# Altium PCB PCB.PcbDoc (part 2 of 5) (continued)
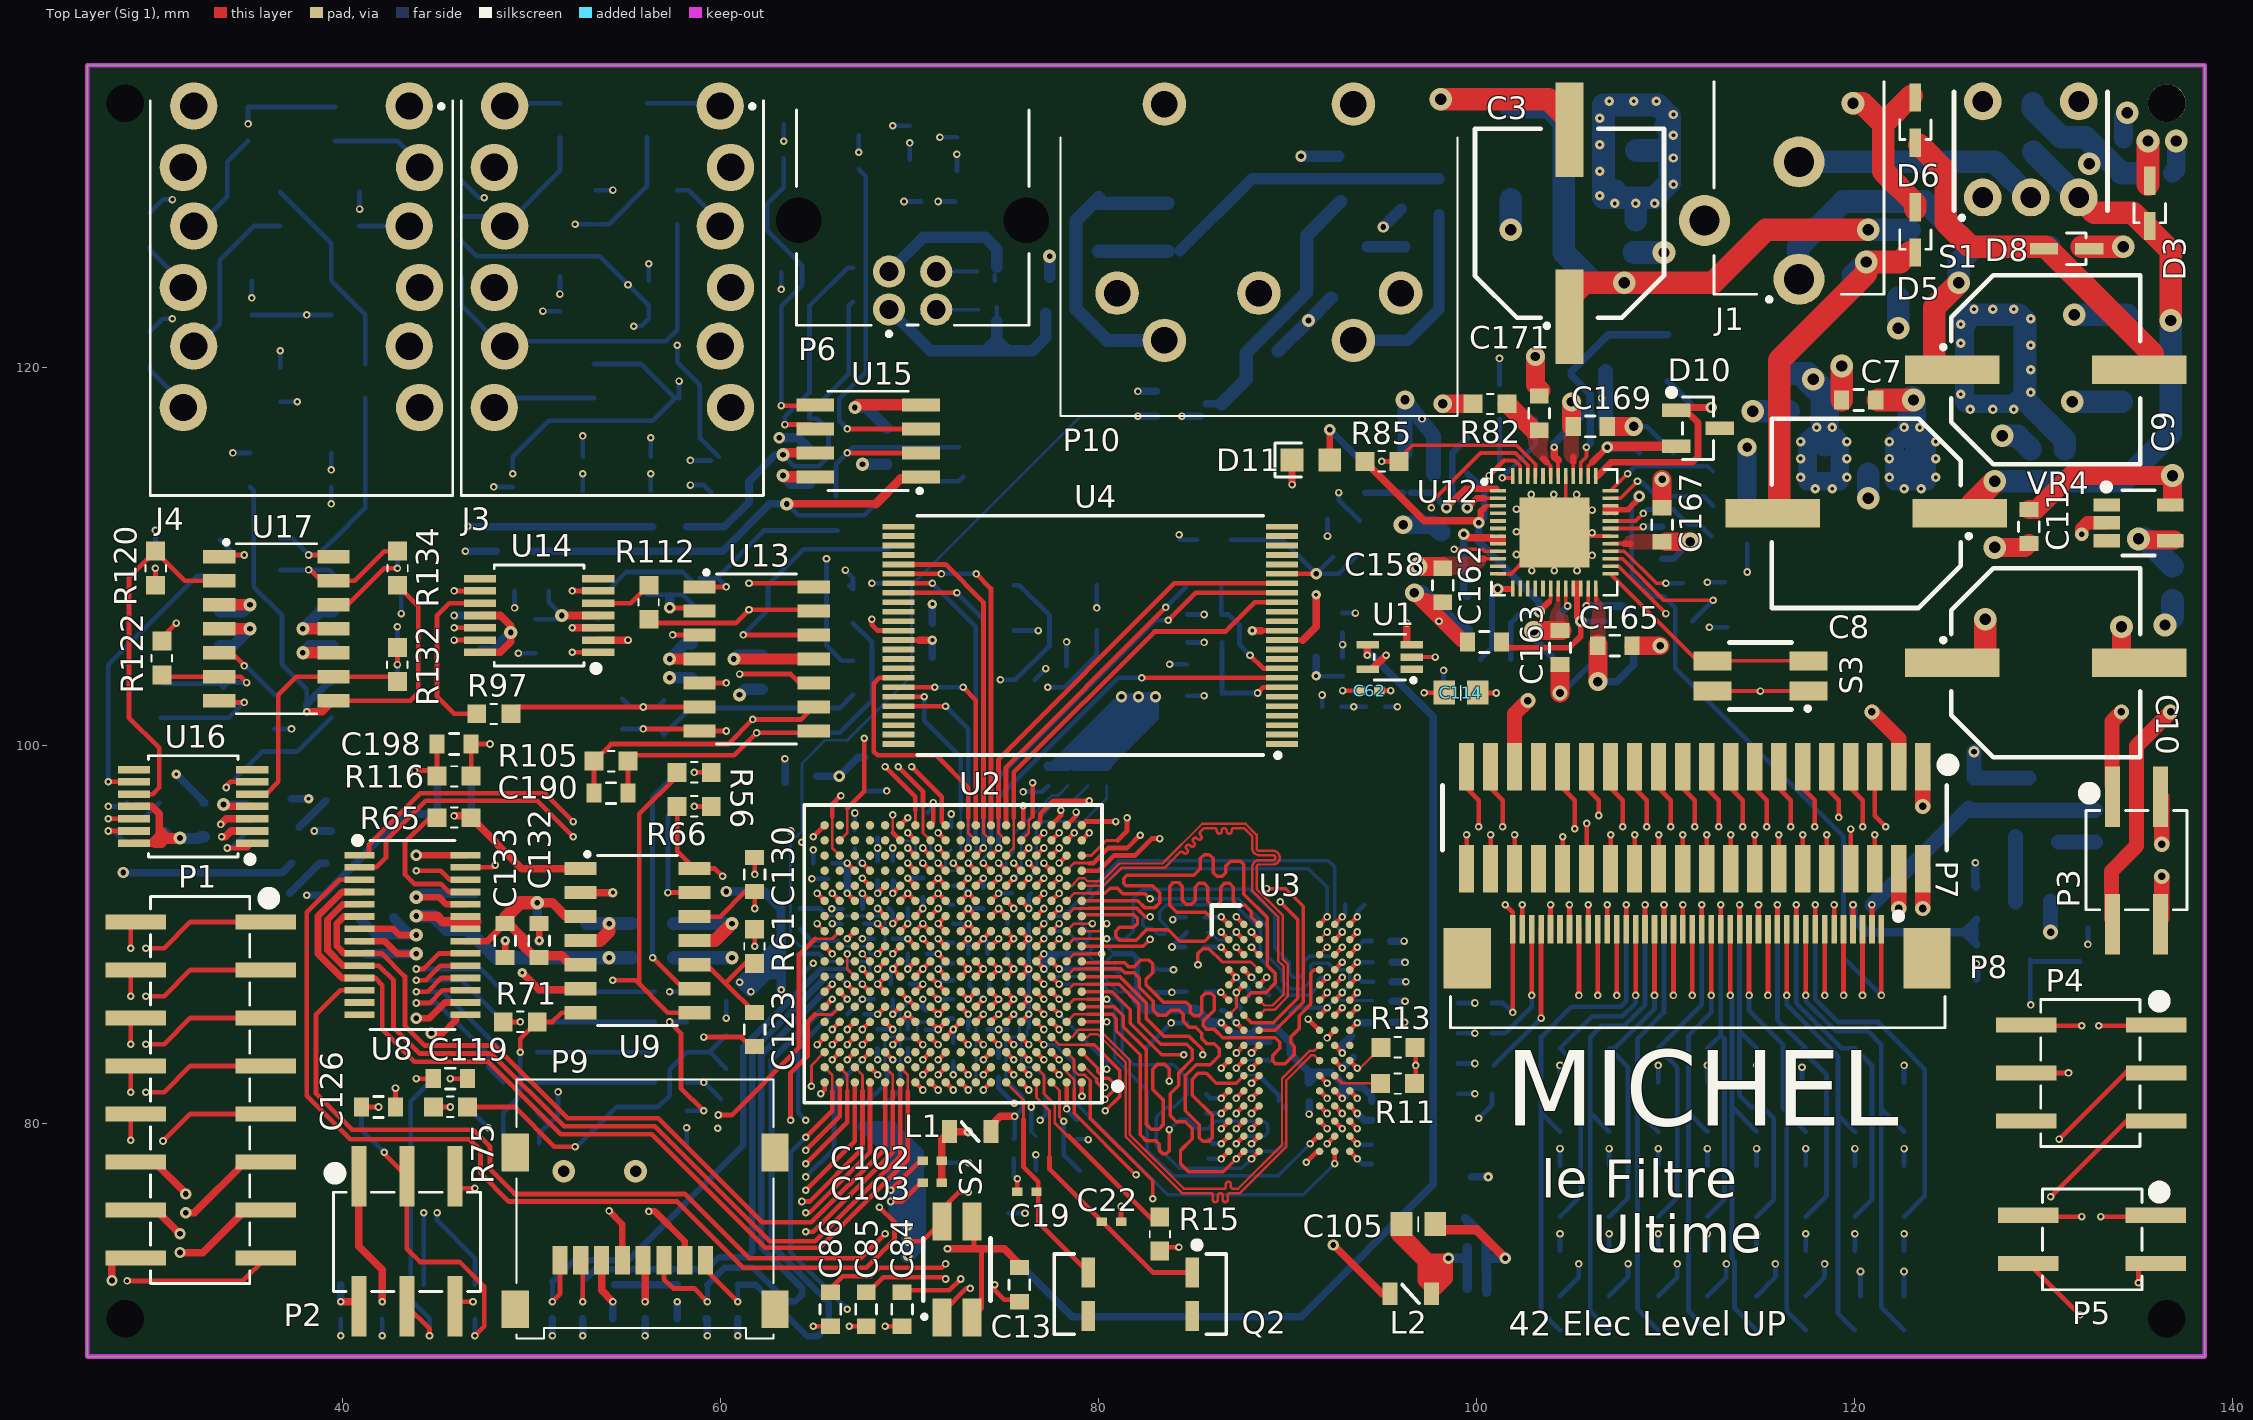
[diagram p0: Top Layer (Sig 1) view]
## Nets (pads, with @x,y where several pads share a name; then routed paths per layer and width w, separated by ;. In a path a pad name is that pad's centre, name@x,y a point inside that pad or via, vN(x,y) a via of type N, cw(c..) or ccw(c..) an arc to the next point about the centre after c; other vN are vias at no path point) (continued)
  Bottom Layer (Sig 4) w0.4: v1(92.88,82.955) C37.1@93.466,83.541 ; v1(93.68,80.555) 94.043,80.192 C14.2@94.45,80.192 ; v1(93.68,85.355) C31.1@94.396,85.355 ; v14(103,106.1) 103,105.7 L5.2@104.4,104.3
+1.8V_PMIC: C88.1 C89.1 C90.1 C91.1 C92.1 C93.1 C94.1 C95.2 C96.2 C98.2 C108.2 C169.2 L1.2 L2.1 U2.E6 U2.E14 U2.F9 U2.K13 U2.N6 U2.N16 U2.P9 U2.P14 U2.R11 U2.R16 U12.40 | length 61.2
  Top Layer (Sig 1) w0.2: U12.40@105.1,114.275 105.1,114.9
  Top Layer (Sig 1) w0.25: v1(66.7,92.2) U2.N16@67.1,91.8 ; v1(66.7,93.8) U2.R16@67.1,93.4 ; v1(68.3,92.2) U2.P14@68.7,92.6 ; U2.E14@68.7,85.4 v1(69.1,85) ; v1(69.1,89) U2.K13@69.5,89.4 ; v1(70.7,93.8) U2.R11@71.1,93.4 ; U2.F9@72.7,86.2 v1(73.1,85.8) ; U2.P9@72.7,92.6 v1(73.1,93) ; U2.E6@75.1,85.4 v1(75.5,85.8) ; U2.N6@75.1,91.8 v1(75.5,91.4)
  Top Layer (Sig 1) w0.35: 105.1,115 105.1,115.3
  Top Layer (Sig 1) w0.4: L1.2@74.1,79.7 74.8,80.4 v1(75.55,80.4) ; v12(92.4,73.6) 94.987,71.013 L2.1@95.4,71.013
  Top Layer (Sig 1) w1: C169.2@105,116.9 v14(105,118.2)
  Signal Layer 2 w0.4: v1(75.55,80.4) 75.625,80.325 75.625,78.075 79.29,74.41 91.59,74.41 v12(92.4,73.6)
  Bottom Layer (Sig 4) w0.15: 65.457,91.191 65.648,91 68.5,91 68.7,90.8 68.7,89.4 v1(69.1,89) ; C91.1@69.308,95.175 69.508,94.975 70.125,94.975 70.3,94.8 70.3,94.2 v1(70.7,93.8) ; C108.2@72.2,94.492 71.9,94.192 71.9,93.6 72.1,93.4 72.7,93.4 v1(73.1,93) ; 75.3,82.1 75.1,82.3 75.1,84.4 75.3,84.6 75.6,84.6 75.8,84.8 75.8,85.5 v1(75.5,85.8)
  Bottom Layer (Sig 4) w0.25: C93.1@64.2,91.4 65.248,91.4 65.457,91.191 ; C92.1@65.908,93.8 C92.1@66.058,93.8 v1(66.7,93.8) ; v1(66.7,92.2) v1@66.708,92.208 ; C95.2@67.613,97.617 v1(68.792,97.617) ; C89.1@68.3,85.008 69.092,85.008 v1(69.1,85) ; v1(68.3,92.2) C90.1@68.3,92.892 ; C88.1@73.092,85 73.092,85.792 v1(73.1,85.8) ; 75.3,82.1 75.957,81.443 75.957,80.807 v1(75.55,80.4) 75.55,79.258 C98.2@75.5,79.208 ; v1(76,97.568) 77.012,97.575 C96.2@77.325,97.892
  Bottom Layer (Sig 4) w0.4: v1(66.7,92.2) 66.7,93.4 v1(66.7,93.8)
+1.8V_VLDO1: C106.2 C174.1 R85.2 R86.2 U1.5 U2.D7 U12.3 U12.18 | length 87.1
  Top Layer (Sig 1) w0.2: 100.4,112.6 100.5,112.7 U12.3@100.8,112.7 ; 103.8,107.6 103.9,107.7 U12.18@103.9,108
  Top Layer (Sig 1) w0.25: U2.D7@74.3,84.6 v1(74.7,84.2)
  Top Layer (Sig 1) w0.35: v6@100.2,111.9 100.2,112.4 100.4,112.6 ; v12(103.3,107.1) 103.8,107.6
  Top Layer (Sig 1) w0.4: R85.2@94.075,115.05 97.225,111.9 v6@100.2,111.9 ; U1.5@94.55,104.15 v1(95.2,104.8)
  Signal Layer 2 w0.15: 69.5,92.6 69.5,85.6 69.7,85.4 73.5,85.4 v1(74.7,84.2)
  Signal Layer 2 w0.25: 69.5,92.6 67.8,94.3 67.8,95.8 68.2,96.2 68.2,99.2 78.7,109.7 95.4,109.7 ; v6@100,111.9 v6(100.1,111.8)
  Signal Layer 2 w0.4: v1(95.2,104.8) 95.4,105 95.4,109.7 97.4,111.7 97.6,111.9 v6@100,111.9
  Bottom Layer (Sig 4) w0.25: C106.2@74.7,83.508 C106.2@74.7,83.533 v1(74.7,84.2)
  Bottom Layer (Sig 4) w0.3: R86.2@101.8,104.6 101.8,106.5 102.4,107.1 v12@103.2,107.1
  Bottom Layer (Sig 4) w0.35: C174.1@99.5,114.4 100.4,113.5 100.4,112.1 v6(100.1,111.8)
  Bottom Layer (Sig 4) w0.4: v6(100.1,111.8) 100.1,110.8 103.3,107.6 v12(103.3,107.1)
+3.3V_CORE: C40.2 C41.2 C49.1 C50.1 C65.1 C66.1 C67.1 C68.1 C69.1 C70.1 C71.1 C72.1 C78.1 C79.1 C80.1 C81.1 C82.1 C83.2 C87.2 C97.2 C116.2 L4.1 P7.3 P7.35 P8.4 P8.31 Q3.2 R3.2 R7.2 R9.2 R10.1 R19.2 R20.2 R21.2 R22.2 R23.2 R24.2 R25.2 R26.2 R27.2 R28.2 R29.2 R30.2 R31.2 R32.2 R33.2 R34.2 R35.2 R52.1 R53.1 R54.1 R55.1 R82.1 R83.2 R84.2 U2.E10 U2.E11 U2.E12 U2.E13 U2.F14 U2.G14 U2.H14 U2.J14 U2.K14 U2.L14 U2.N5 U2.N15 U2.P5 U2.P6 U2.P7 U2.P8 U2.P10 U2.P11 U2.P12 U2.P13 U2.R15 U4.12 U4.37 U5.5 | length 120.4
  Top Layer (Sig 1) w0.25: v1(67.5,92.2) U2.N15@67.9,91.8 ; v1(67.5,93.8) U2.R15@67.9,93.4 ; v1(68.3,85.8) U2.F14@68.7,86.2 ; v1(68.3,88.2) U2.J14@68.7,88.6 ; v1(68.3,89) U2.K14@68.7,89.4 ; v1(68.3,90.6) U2.L14@68.7,90.2 ; U2.G14@68.7,87 v1(68.3,87.4) U2.H14@68.7,87.8 ; v1(69.1,92.2) U2.P13@69.5,92.6 ; U4.37@69.4,105.6 70.5,105.6 ; U2.E13@69.5,85.375 U2.E13@69.5,85.4 v1(69.9,85.8) 70.275,85.425 70.275,85.375 U2.E12@70.3,85.4 ; v1(69.9,93) U2.P12@70.3,92.6 ; U2.E11@71.1,85.4 v1(71.5,85) U2.E10@71.9,85.4 ; U2.P11@71.1,92.6 v1(71.5,93) U2.P10@71.9,92.6 ; U2.P8@73.5,92.6 v1(73.9,93) ; U2.P7@74.3,92.6 v1(74.7,93) ; U2.P6@75.1,92.6 v1(75.5,93) ; U2.N5@75.9,91.8 v1(76.3,91.4) ; U2.P5@75.9,92.6 v1(76.3,93) ; U4.12@89.7,105.6 90.8,105.6 ; v2(106.4,86.8) P8.31@106.4,90.3 ; P8.4@119.9,90.3 v2(119.9,91.6)
  Top Layer (Sig 1) w0.4: 70.5,105.6 v4(71.2,105.6) ; 90.8,105.6 91.5,106.3 v11(91.5,108)
  Top Layer (Sig 1) w0.8: P7.35@102,98.9 102,101.7 v17(102.7,102.4) ; v13(120.9,101.8) 120.92,101.8 122.32,100.4 P7.3@122.32,98.9
  Top Layer (Sig 1) w1: v14(98.2,118.1) R82.1@99.5,118.1
  Bottom Layer (Sig 4) w0.15: 65.4,88.8 65.6,88.6 67.648,88.6 67.9,88.348 67.9,87.8 v1(68.3,87.4) ; 66.2,89.7 66.5,89.4 67.63,89.4 67.875,89.155 67.875,89.025 67.9,89 v1(68.3,89) ; v1(74.7,93) 75.1,93.4 75.1,94 75.5,94.4 75.5,95.345 77.53,97.375 77.855,97.375 C70.1@78.381,97.901 ; v1(75.5,93) 75.9,93.4 75.9,95.2 77.8,97.1 78.633,97.1 C97.2@79.425,97.892 ; v1(76.3,93) 76.7,93.4 76.7,95.6 77.1,96 79.2,96 80.425,97.225 C67.1@80.425,97.892
  Bottom Layer (Sig 4) w0.25: C71.1@64.1,89 C71.1@64.208,89 65.2,89 65.4,88.8 ; C72.1@64.208,90.3 64.808,89.7 66.2,89.7 ; C66.1@67.1,94.592 67.1,94.2 v1(67.5,93.8) ; C49.1@67.508,91.4 v1@67.508,92.192 ; C87.2@67.608,85.8 v1(68.3,85.8) ; C65.1@67.608,90.6 v1(68.3,90.6) ; v1(69.1,92.2) 69.1,92.692 69.2,92.792 C82.1@69.1,92.892 ; C78.1@69.9,85.008 C78.1@69.9,85.033 v1(69.9,85.8) ; v1(69.9,93) 69.908,93.008 C80.1@70.7,93.008 ; C79.1@70.85,84.992 71.492,84.992 v1(71.5,85) 72.084,85.584 C68.1@72.3,85.584 ; C69.1@71.699,77.956 v1(73.119,77.956) ; C81.1@73.9,92.508 v1(73.9,93) ; R3.2@75.225,75.275 v1(76.1,75.275) ; v1(76.3,91.4) 76.3,92.092 C50.1@76.408,92.2 ; R7.2@84.675,105.475 v2(85.575,105.475) ; R9.2@84.675,106.95 v2(85.575,106.95) ; v2(92.7,113.4) 92.7,113 R10.1@93.8,111.9 ; R35.2@104.397,70.9 105.397,71.9 v1(105.397,72.597) ; R34.2@104.4,82.2 v1(104.4,83.1) ; R32.2@106.997,73.3 v1(106.997,74.2) ; R33.2@107,70.907 108,71.907 v1(108,72.605) ; R31.2@109.6,70.9 110.6,71.9 v1(110.6,72.597) ; R30.2@109.6,73.3 v1(109.6,74.2) ; R28.2@112.2,73.3 v1(112.2,74.2) ; R29.2@112.2,77.8 v1(112.2,78.7) ; v2(112.2,108.655) 113.085,108.655 R83.2@113.11,108.68 ; v2(112.305,106.28) R84.2@113.23,106.28 ; R27.2@114.797,70.9 115.797,71.9 v1(115.797,72.597) ; R26.2@114.8,73.3 v1(114.8,74.2) ; R25.2@117.397,70.9 118.397,71.9 v1(118.397,72.597) ; R24.2@117.4,73.3 v1(117.4,74.2) ; R22.2@120,82.2 v1(120,83.1) ; R23.2@120.297,70.9 v1(120.297,72.197) ; R21.2@122.597,70.9 v1(122.597,72.197) ; R20.2@122.6,73.3 v1(122.6,74.2)
  Bottom Layer (Sig 4) w0.4: v2(51.1,68.8) R54.1@51.1,69.7 ; v2(52.7,68.8) R53.1@52.7,69.7 ; v2(56,68.8) L4.1@56,69.7 ; R52.1@59.2,69.7 R52.1@59.3,69.7 v2(59.3,68.8) ; v2(60.9,68.8) R55.1@60.9,69.7 ; v1(63.4,99.325) 63.417,99.308 C83.2@63.417,98.087 ; C40.2@71.2,104.7 v4(71.2,105.6) ; v2(82.07,118.75) U5.5@83.07,118.75 ; C41.2@91.5,106.5 v11(91.5,108)
  Bottom Layer (Sig 4) w0.45: v2(119.9,91.6) 119.9,90.9 120.65,90.15 125.775,90.15 ; C116.2@126.325,89.75 R19.2@126.325,90.55 ; C116.2@126.425,89.5 125.775,90.15 ; R19.2@126.425,90.8 125.775,90.15
  Bottom Layer (Sig 4) w0.8: v13(130.35,90.15) Q3.2@130.35,91.8
+3.3V_VLDO2: C175.1 R89.1 U12.1 | length 7.3
  Top Layer (Sig 1) w0.35: v12(98.4,112.6) 99.4,113.6 101.025,113.6
  Bottom Layer (Sig 4) w0.35: R89.1@94.1,113.4 C175.1@96.1,113.4 ; C175.1@96.5,113.4 97.6,113.4 v12(98.4,112.6)
+3.3VA: C7.2 C134.1 C135.2 C187.1 C208.1 P3.3 R126.1 U8.7 U8.15 U8.28 U14.11 U14.14 U16.11 U16.14 VR3.3 | length 39.9
  Top Layer (Sig 1) w0.35: U8.7@40.9,90.325 42.675,90.325 43,90 v7(43.9,90) ; v6(43.9,94.225) U8.28@46.5,94.225 ; v12(44.7,84.8) 45.3,84.8 46,85.5 U8.15@46,85.7
  Top Layer (Sig 1) w0.4: U16.14@28.976,94.85 29.85,94.85 30.3,95.3 30.3,96.4 29.9,96.8 U16.11@28.976,96.8 ; U14.14@47.276,104.95 48.35,104.95 48.9,105.5 v8(48.9,106) 48.9,106.35 48.35,106.9 U14.11@47.276,106.9
  Top Layer (Sig 1) w0.6: 30.1,94.9 30.4,94.9 ; 30.4,95.4 30.7,95.1 v7@31.3,95.1
  Top Layer (Sig 1) w0.8: v13(136.23,94.8) P3.3@136.23,97.302
  Top Layer (Sig 1) w1.2: C7.2@121.2,118.3 v5(123.1,118.3)
  Bottom Layer (Sig 4) w0.4: C187.1@47.3,105.1 47.9,105.1 48.8,106 v8(48.9,106)
  Bottom Layer (Sig 4) w0.5: C134.1@40.9,90.9 41.8,90 v7@43.6,90 ; C135.2@42.7,90.9 v7@43.6,90 ; v7(43.9,90) v7@43.6,90
  Bottom Layer (Sig 4) w0.6: R126.1@30.6,95.4 30.9,95.1 32.4,95.1 C208.1@32.5,95.2 C208.1@32.7,95.2
  Bottom Layer (Sig 4) w1: 122.375,116.4 122.1,116.125 122.1,114.025 122.125,114 123.8,114 123.8,116.1 123.5,116.4
  Bottom Layer (Sig 4) w1.2: VR3.3@123,114.7 VR3.3@123,115.175
  Bottom Layer (Sig 4) w1.5: 123,116.4 v5@123,118.3
  other v4: 122.6,113.6 123.5,113.6 121.825,114.2 121.825,115.2 121.825,116.1 124.275,116.1 122.6,116.85 123.425,116.85
  other v7: 31.4,95.125
  other v11: 124.275,114.2 124.275,115.2
+5V: C5.2 C6.2 P7.1 R79.2 R81.1 U11.8 VR2.4 VR3.1 | length 40.4
  Top Layer (Sig 1) w0.8: v13(123.59,96.8) P7.1@123.59,98.9
  Bottom Layer (Sig 4) w0.7: R79.2@89.5,120.9 v8(91.1,122.5) U11.8@92.3,123.7
  Bottom Layer (Sig 4) w0.8: VR3.1@117.7,114.1 117.8,114
  Bottom Layer (Sig 4) w1: v14(96.1,111.7) 97.7,111.7 R81.1@98.1,111.3 ; 118.4,116.4 117.775,116.4 117.5,116.125 117.5,114 117.8,114 119.2,114 119.2,116.1 118.9,116.4
  Bottom Layer (Sig 4) w1.2: 107.3,129.4 107.3,129 ; C6.2@108.4,127.8 v4@108.4,128.6 ; VR2.4@108.445,131.5 110.2,131.5 ; 110,132.8 110.2,133 ; C5.2@116.4,119.7 117.5,119.7 v5(117.8,119.4) ; VR3.1@118.4,115.9 118.4,116.4 ; 107.3,129 106.7,129 106.7,133.9 109.6,133.9 110.2,133.3 110.2,131.5 ; 107.3,129 109.4,129 110.2,129.8 110.2,131.5
  Bottom Layer (Sig 4) w1.5: v5@117.5,119.5 118.4,118.6 118.4,116.4
  other v4: 117.9,113.6 118.8,113.6 119.575,114.2 119.575,115.2 117.125,116.1 119.575,116.1 117.975,116.85 118.8,116.85 107.3,128.7 108.4,128.7 106.5,129.1 106.5,130.4 106.5,131.8 110.4,133.4 107,134.1 108.3,134.1 109.5,134.1
  other v10: 109.4,128.7 110.4,129.7 110.4,131.1 110.4,132.3 106.5,133.2
  other v11: 117.125,114.2 117.125,115.2
+5VA: C2.2 C131.1 C136.1 C137.2 C138.2 C185.1 C186.1 C207.1 P3.1 U8.24 U9.4 U13.4 U15.8 U17.4 VR1.4 | length 41.4
  Top Layer (Sig 1) w0.35: v7(43.9,92) 45.1,92 45.475,91.625 U8.24@46.5,91.625
  Top Layer (Sig 1) w0.6: U17.4@34.13,106.2 v7(35.1,106.2) ; v8(57.3,104.6) U13.4@58.27,104.6 ; v8(63.3,114.3) 63.37,114.23 U15.8@65.006,114.23
  Top Layer (Sig 1) w0.7: U9.4@52.7,89.7 53.6,89.7 54.1,90.2 v7(54.1,90.6)
  Top Layer (Sig 1) w0.8: P3.1@133.6,97.9 133.6,101.3 v13(134.1,101.8)
  Bottom Layer (Sig 4) w0.5: v7(43.9,92) 44.1,92.2 45.1,92.2 C137.2@47,92.2
  Bottom Layer (Sig 4) w0.6: C207.1@33.5,105.3 34.2,105.3 v7(35.1,106.2) ; v8(57.3,104.6) 58.1,105.4 C186.1@58.5,105.4 ; v8(63.3,114.3) 63.7,113.9 C185.1@64.7,113.9
  Bottom Layer (Sig 4) w0.7: C138.2@52.9,90.6 v7(54.1,90.6) C131.1@55.3,90.6
  Bottom Layer (Sig 4) w1: v4@125.8,122.3 125.8,118.2 125.9,118.1 128.4,118.1 129,118.7
  Bottom Layer (Sig 4) w1.2: v4@125.8,122.3 125.8,122.7 ; 126,122.8 128.7,122.8 129,122.5 129,118.7 ; 129.1,118.2 131.1,116.2 C2.2@131.1,115.7
  other v4: 126.1,117.8 127.3,117.8 128.4,117.8 125.6,118.6 129.3,118.7 129.3,119.9 129.3,121.2 125.6,121.3 125.6,122.3 129.3,122.6 126.3,123.1 127.3,123.1 128.4,123.1
-5V: C12.2 C139.2 C140.1 C188.2 C189.2 C209.2 P3.2 U9.11 U13.11 U15.4 U17.11 VR4.4 | length 36.6
  Top Layer (Sig 1) w0.25: U17.11@38.87,106.2 U17.11@39.523,106.2
  Top Layer (Sig 1) w0.6: v8(37.9,106.2) U17.11@38.87,106.2 ; v8(60.7,104.6) U13.11@64.315,104.6 ; v7(67.1,117.9) 67.24,118.04 U15.4@70.594,118.04
  Top Layer (Sig 1) w0.7: U9.11@58.745,89.7 59.7,89.7 v7(60.6,90.6)
  Top Layer (Sig 1) w0.8: P3.2@133.57,90.871 133.57,93.37 134.9,94.7 134.9,100 v18(136.7,101.8)
  Top Layer (Sig 1) w1: v5@135,110.9 VR4.4@136.9,110.9
  Bottom Layer (Sig 4) w0.25: C209.2@39.3,106.9 C209.2@39.5,107.1
  Bottom Layer (Sig 4) w0.6: v8(37.9,106.2) 38.8,107.1 C209.2@39.5,107.1 ; v8(60.7,104.6) 60.9,104.8 C188.2@62.2,104.8 ; v7(67.1,117.9) 67.7,117.9 C189.2@68.8,116.8
  Bottom Layer (Sig 4) w0.7: C140.1@57.5,90.6 C139.2@59.4,90.6 v7(60.6,90.6)
  Bottom Layer (Sig 4) w1.2: v5(135,110.95) 135.35,110.95 C12.2@136.8,109.5
A0: U2.F3 U3.N3 | length 21.7
  Top Layer (Sig 1) w0.25: U2.F3@77.5,86.2 v1(77.9,85.8) ; v1(88.08,80.555) U3.N3@88.479,80.955
  Signal Layer 3 w0.134: v1(80.428,82.905) 79.875,82.352 79.875,80.625 83.5,77 88.239,77 88.975,77.736 88.975,79.66 v1(88.08,80.555)
  Bottom Layer (Sig 4) w0.184: v1@77.901,85.801 80.428,83.273 v1(80.428,82.905)
A1: U2.H1 U3.P7 | length 22.7
  Top Layer (Sig 1) w0.184: U2.H1@79.1,87.8 81.119,87.801 82.525,86.395 82.525,85.575 83.45,84.65 84.775,84.65 85.507,83.918 v2(85.507,83.667)
  Top Layer (Sig 1) w0.25: U3.P7@91.68,80.155 v1(92.08,79.755)
  Signal Layer 3 w0.134: v2(85.507,83.667) 85.797,83.377 88.598,83.377 90.35,81.625 90.35,80.508 90.079,80.238 90.079,78.675 90.206,78.548 90.46,78.548 90.587,78.675 90.587,79.975 90.714,80.102 90.968,80.102 91.095,79.975 91.095,79.63 91.222,79.503 91.476,79.503 91.603,79.63 91.603,79.975 91.73,80.102 91.948,80.102 92.08,79.97 v1(92.08,79.755)
A2: U2.E4 U3.P3 | length 22.7
  Top Layer (Sig 1) w0.184: U2.E4@76.7,85.4 v1(77.1,85)
  Top Layer (Sig 1) w0.25: v1(88.08,79.755) U3.P3@88.479,80.155
  Signal Layer 3 w0.134: v1@77.1,85.001 77.1,84.775 77.75,84.125 80.886,84.125 81.5,84.739 81.5,86.15 81.075,86.575 81.075,86.825 81.25,87 81.5,87 83.925,84.575 83.925,83.15 83.222,82.447 83.222,82.028 83.575,81.675 85.548,81.675 86.273,82.4 87.156,82.4 87.68,81.876 87.68,80.155 v1(88.08,79.755)
A3: U2.C3 U3.N2 | length 22.7
  Top Layer (Sig 1) w0.25: U2.C3@77.5,83.8 v1(77.9,83.4) ; v1(87.28,80.555) U3.N2@87.679,80.955
  Signal Layer 3 w0.134: v1@77.901,83.4 78.55,83.4 78.904,83.046 78.904,82.318 79.072,82.15 79.369,82.15 79.537,82.318 79.537,83.137 79.95,83.55 81.125,83.55 81.427,83.248 81.427,82.802 80.973,82.348 80.973,81.827 81.25,81.55 81.825,81.55 82.1,81.825 82.1,84.45 82.4,84.75 82.875,84.75 83.2,84.425 83.2,83.725 82.675,83.2 82.675,80.8 83.025,80.45 83.825,80.45 84.325,80.95 86.885,80.95 v1(87.28,80.555)
A4: U2.C2 U3.P8 | length 22.7
  Top Layer (Sig 1) w0.14: U2.C2@78.298,83.801 78.695,83.404 78.695,82.842 78.934,82.604 79.258,82.604 79.562,82.3
  Top Layer (Sig 1) w0.184: 79.562,82.3 79.562,80.288 82.862,76.988 v3(82.862,76.047)
  Top Layer (Sig 1) w0.25: U3.P8@92.48,80.155 v1(92.88,79.755)
  Signal Layer 3 w0.134: v3(82.862,76.047) 83.009,75.9 89.475,75.9 91.6,78.025 91.6,79.025 91.93,79.355 92.478,79.355 v1@92.878,79.755
A5: U2.B1 U3.P2 | length 22.7
  Top Layer (Sig 1) w0.14: U2.B1@79.1,83 79.275,83 79.888,82.387
  Top Layer (Sig 1) w0.184: 79.888,82.387 79.888,82.212 80.162,81.938 v1(80.329,81.938)
  Top Layer (Sig 1) w0.25: v1(87.28,79.755) U3.P2@87.679,80.155
  Signal Layer 3 w0.134: v1(80.329,81.938) 81.075,81.192 81.075,80.425 81.218,80.282 81.482,80.282 81.65,80.45 81.65,80.75 81.793,80.893 82.079,80.893 82.206,80.766 82.206,79.476 82.333,79.349 82.619,79.349 82.762,79.492 82.762,80.03 82.909,80.177 83.195,80.177 83.322,80.05 83.322,77.978 83.521,77.779 84.029,77.779 84.238,77.988 84.238,80.263 84.594,80.619 85.531,80.619 85.889,80.261 85.889,78.011 86.202,77.698 87.473,77.698 87.679,77.904 87.679,79.356 v1(87.28,79.755)
A6: U2.D5 U3.R8 | length 24.1
  Top Layer (Sig 1) w0.25: U2.D5@75.9,84.6 v1(76.3,84.2) ; v1(92.08,78.955) U3.R8@92.48,79.355
  Signal Layer 2 w0.134: v1(76.3,84.2) 76.7,84.6 77.3,84.6 79.6,82.3 79.6,80.3 83.95,75.95 90.8,75.95 92.08,77.23 v1(92.08,78.955)
A7: U2.E2 U3.R2 | length 21.7
  Top Layer (Sig 1) w0.14: U2.E2@78.3,85.401 78.7,85.802 79.4,85.802
  Top Layer (Sig 1) w0.184: 79.4,85.802 80.707,85.802 80.936,85.572 80.936,84.937 82.2,83.673 82.2,79.425 82.5,79.125 83,79.125 83.2,78.925 83.2,78.6 83.375,78.425 83.575,78.425 83.725,78.575 ; 83.73,78.575 v1(83.73,79.705)
  Top Layer (Sig 1) w0.25: v1(87.28,78.955) U3.R2@87.679,79.355
  Bottom Layer (Sig 4) w0.184: v1(83.73,79.705) 84.275,80.25 84.7,80.25 85.2,79.75 85.782,79.75 86.187,80.155 88.745,80.155 88.937,79.963 88.937,79.537 88.755,79.355 87.679,79.355 v1(87.28,78.955)
A8: U2.D4 U3.T8 | length 21.7
  Top Layer (Sig 1) w0.184: U2.D4@76.7,84.6 v1(77.1,84.2)
  Top Layer (Sig 1) w0.25: v1(92.48,77.905) U3.T8@92.48,78.555
  Bottom Layer (Sig 4) w0.184: v1(77.1,84.2) 77.7,84.2 78.692,83.208 78.692,81.211 83.653,76.25 90.825,76.25 v1(92.48,77.905)
A9: U2.C1 U3.R3 | length 24.1
  Top Layer (Sig 1) w0.184: U2.C1@79.099,83.8 79.95,82.949 79.95,82.768 80.293,82.425 80.525,82.425 80.775,82.175 80.775,81.751 v1(80.327,81.303)
  Top Layer (Sig 1) w0.25: v1(88.08,78.955) U3.R3@88.479,79.355
  Signal Layer 2 w0.134: v1(80.327,81.303) 80.825,81.801 80.825,83.5 81.2,83.875 82.125,83.875 82.525,83.475 82.525,78.6 83.025,78.1 83.725,78.1 84.25,78.625 84.25,79.15 84.6,79.5 85.475,79.5 85.825,79.15 85.825,77.725 86.4,77.15 88.15,77.15 88.575,77.575 88.575,78.46 v1(88.08,78.955)
A10: U2.F4 U3.L7 | length 22.7
  Top Layer (Sig 1) w0.15: U2.F4@76.642,86.2 U2.F4@76.7,86.2
  Top Layer (Sig 1) w0.25: U2.F4@76.7,86.2 v1(77.1,85.8) ; U3.L7@91.68,82.555 v1(92.08,82.155)
  Signal Layer 3 w0.134: v1(77.1,85.8) 77.493,86.193 78.468,86.193 78.776,86.501 78.776,87.901 79.15,88.275 82.5,88.275 83.385,87.39 84.324,87.39 85.888,85.825 88.925,85.825 90.85,83.9 92.2,83.9 92.365,83.735 92.365,83.412 92.238,83.285 91.835,83.285 91.6,83.05 91.6,82.35 91.795,82.155 v1(92.08,82.155)
A11: U2.F2 U3.R7 | length 21.6
  Top Layer (Sig 1) w0.15: U2.F2@78.3,86.2 78.7,86.6 79.4,86.6
  Top Layer (Sig 1) w0.184: 79.4,86.6 v1(80.428,86.6)
  Top Layer (Sig 1) w0.25: v1(91.18,78.955) U3.R7@91.58,79.355
  Bottom Layer (Sig 4) w0.184: v1(80.428,86.6) 80.85,86.178 80.85,83.475 82.575,81.75 82.575,78.6 83.9,77.275 89.5,77.275 v1(91.18,78.955)
A12: U2.E3 U3.N7 | length 22.7
  Top Layer (Sig 1) w0.25: U2.E3@77.5,85.4 v1(77.9,85) ; U3.N7@91.68,80.955 v1(92.08,80.555)
  Signal Layer 3 w0.134: v1(77.9,85) 80.625,85 80.825,85.2 80.825,85.65 80.625,85.85 80.05,85.85 79.775,86.125 79.775,86.925 80.475,87.625 81.7,87.625 83.175,86.15 84.55,86.15 86.075,84.625 88.994,84.625 90.5,83.119 90.5,82.135 v1(92.08,80.555)
A13: U2.H3 U3.T3 | length 21.7
  Top Layer (Sig 1) w0.25: U2.H3@77.5,87.8 v1(77.9,87.4) ; v1(88.08,78.155) U3.T3@88.479,78.555
  Bottom Layer (Sig 4) w0.184: v1(77.9,87.4) 80.182,87.401 81.25,86.333 81.25,83.734 81.859,83.125 83.975,83.125 84.675,82.425 84.675,81.575 83.975,80.875 83.575,80.875 83.05,80.35 83.05,78.85 84.25,77.65 87.574,77.65 v1(88.08,78.155)
A14: U2.H4 U3.T7 | length 24.1
  Top Layer (Sig 1) w0.25: U2.H4@76.7,87.8 v1(77.1,87.4) ; v1@90.98,77.97 91.566,78.555 U3.T7@91.68,78.555
  Signal Layer 2 w0.134: v1@77.1,87.4 77.5,87 77.5,84.823 78.323,84 79.1,84 79.875,83.225 79.875,80.45 84.075,76.25 89.425,76.25 89.875,76.7 89.875,77.475 90.1,77.7 90.7,77.7 v1(90.98,77.98)
A15: U2.D3 U3.M7 | length 24.1
  Top Layer (Sig 1) w0.14: U2.D3@77.5,84.6 77.905,84.195 79.35,84.195
  Top Layer (Sig 1) w0.184: 79.35,84.195 79.755,84.195 81.1,82.85 81.1,81.45 v1(80.35,80.7)
  Top Layer (Sig 1) w0.25: U3.M7@91.68,81.755 v1(92.08,81.355)
  Signal Layer 2 w0.134: v1(80.35,80.7) 80.35,80.375 83.875,76.85 88.375,76.85 90.525,79 90.525,79.5 90.9,79.875 91.45,79.875 91.725,80.15 92.225,80.15 92.475,80.4 92.475,80.96 v1(92.08,81.355)
ACK_N: U2.D1 U3.K7 | length 25.1
  Top Layer (Sig 1) w0.13: U2.D1@79.1,84.6 79.39,84.6 79.54,84.75 79.95,84.75 81.42,83.28 81.42,79.33 84.405,76.345 85.825,76.345 85.91,76.345 cw(c85.91,76.215) 86.04,76.215 86.04,75.998 ccw(c86.17,75.998) 86.17,75.868 ccw(c86.17,75.998) 86.3,75.998 86.3,76.215 cw(c86.43,76.215) 86.43,76.345 cw(c86.43,76.215) 86.56,76.215 86.56,75.998 ccw(c86.69,75.998) 86.69,75.868 ccw(c86.69,75.998) 86.82,75.998 86.82,76.215 cw(c86.95,76.215) 86.95,76.345 87.08,76.345 87.34,76.345 87.47,76.345 89.925,78.8 89.925,82.315 91.25,83.64 91.395,83.64 U3.K7@91.68,83.355
ACK_P: U2.D2 U3.J7 | length 25.1
  Top Layer (Sig 1) w0.13: U2.D2@78.3,84.6 78.59,84.6 78.71,84.72 78.71,84.762 78.938,84.99 79.615,84.99 79.625,84.98 80.045,84.98 81.65,83.375 81.65,79.425 84.5,76.575 86.625,76.575 ccw(c86.625,76.675) 86.725,76.675 86.725,76.818 cw(c86.855,76.818) 86.855,76.948 cw(c86.855,76.818) 86.985,76.818 86.985,76.705 ccw(c87.115,76.705) 87.115,76.575 87.245,76.575 87.375,76.575 89.695,78.895 89.695,82.41 91.155,83.87 91.395,83.87 U3.J7@91.68,84.155
ADQSL_N: U2.P2 U3.G3 | length 25
  Top Layer (Sig 1) w0.13: U2.P2@78.3,92.6 78.59,92.6 78.71,92.72 78.71,92.762 78.938,92.99 79.262,92.99 79.422,92.83 80.155,92.83 81.105,93.78 83.375,93.78 85.475,95.88 87.77,95.88 88.355,95.295 88.355,94.578 ccw(c88.485,94.578) 88.485,94.448 89.217,94.448 cw(c89.217,94.088) 89.577,94.088 cw(c89.217,94.088) 89.217,93.728 88.485,93.728 ccw(c88.485,93.598) 88.355,93.598 88.355,92.425 89.725,91.055 89.725,88.725 90.005,88.445 90.005,86.755 89.288,86.037 88.762,86.037 U3.G3@88.48,85.755
ADQSL_P: U2.P1 U3.F3 | length 25
  Top Layer (Sig 1) w0.13: U2.P1@79.1,92.6 79.39,92.6 80.25,92.6 81.2,93.55 83.47,93.55 84.11,94.19 84.191,94.271 84.283,94.363 cw(c84.375,94.271) 84.467,94.363 84.49,94.34 ccw(c84.582,94.432) 84.674,94.34 ccw(c84.582,94.432) 84.674,94.524 84.651,94.547 cw(c84.743,94.639) 84.651,94.731 cw(c84.743,94.639) 84.835,94.731 84.858,94.708 ccw(c84.95,94.8) 85.042,94.708 ccw(c84.95,94.8) 85.042,94.891 85.019,94.915 cw(c85.111,95.007) 85.019,95.098 cw(c85.111,95.007) 85.203,95.098 85.226,95.075 ccw(c85.318,95.167) 85.41,95.075 ccw(c85.318,95.167) 85.41,95.259 85.386,95.282 cw(c85.478,95.374) 85.386,95.466 85.478,95.558 85.57,95.65 85.725,95.65 85.985,95.65 86.115,95.65 cw(c86.115,95.52) 86.245,95.52 86.245,95.487 ccw(c86.375,95.487) 86.375,95.357 ccw(c86.375,95.487) 86.505,95.487 86.505,95.52 cw(c86.635,95.52) 86.635,95.65 cw(c86.635,95.52) 86.765,95.52 86.765,95.487 ccw(c86.895,95.487) 86.895,95.357 ccw(c86.895,95.487) 87.025,95.487 87.025,95.52 cw(c87.155,95.52) 87.155,95.65 87.285,95.65 87.545,95.65 87.675,95.65 88.125,95.2 88.125,94.578 ccw(c88.485,94.578) 88.485,94.218 89.217,94.218 cw(c89.217,94.088) 89.347,94.088 cw(c89.217,94.088) 89.217,93.958 88.485,93.958 ccw(c88.485,93.598) 88.125,93.598 88.125,92.33 89.495,90.96 89.495,88.63 89.775,88.35 89.775,86.85 89.192,86.267 88.768,86.267 U3.F3@88.48,86.555
ADQSU_N: U2.L2 U3.B7 | length 24.1
  Top Layer (Sig 1) w0.13: U2.L2@78.3,90.2 78.7,90.6 v1@79.666,90.6 ; U3.B7@91.68,89.755 v1(92.08,90.155)
  Signal Layer 2 w0.13: v1(79.666,90.6) 79.902,90.836 79.902,92.22 81.822,94.14 83.925,94.14 ccw(c83.925,94.27) 84.055,94.27 84.055,95.801 cw(c84.475,95.801) 84.895,95.801 84.895,93.291 ccw(c85.025,93.291) 85.155,93.291 85.155,93.72 cw(c85.575,93.72) 85.575,94.14 85.845,94.14 90.085,89.9 91.825,89.9 v1(92.08,90.155)
ADQSU_P: U2.L1 U3.C7 | length 24.1
  Top Layer (Sig 1) w0.13: U2.L1@79.1,90.2 80.027,90.2 v1(80.428,90.6) ; U3.C7@91.68,88.955 91.68,88.962 v1@92.076,89.359
  Signal Layer 2 w0.13: v1(80.428,90.6) 80.192,90.836 80.192,91.06 cw(c80.322,91.06) 80.322,91.19 80.43,91.19 ccw(c80.43,91.32) 80.56,91.32 ccw(c80.43,91.32) 80.43,91.45 80.322,91.45 cw(c80.322,91.58) 80.192,91.58 80.192,91.71 80.192,91.97 80.192,92.1 81.942,93.85 83.925,93.85 ccw(c83.925,94.27) 84.345,94.27 84.345,95.801 cw(c84.475,95.801) 84.605,95.801 84.605,93.291 ccw(c85.025,93.291) 85.445,93.291 85.445,93.72 cw(c85.575,93.72) 85.575,93.85 85.725,93.85 89.965,89.61 91.825,89.61 v1(92.08,89.355)